# KiCad board GPDI_ULX3S_panel.kicad_pcb (continued)
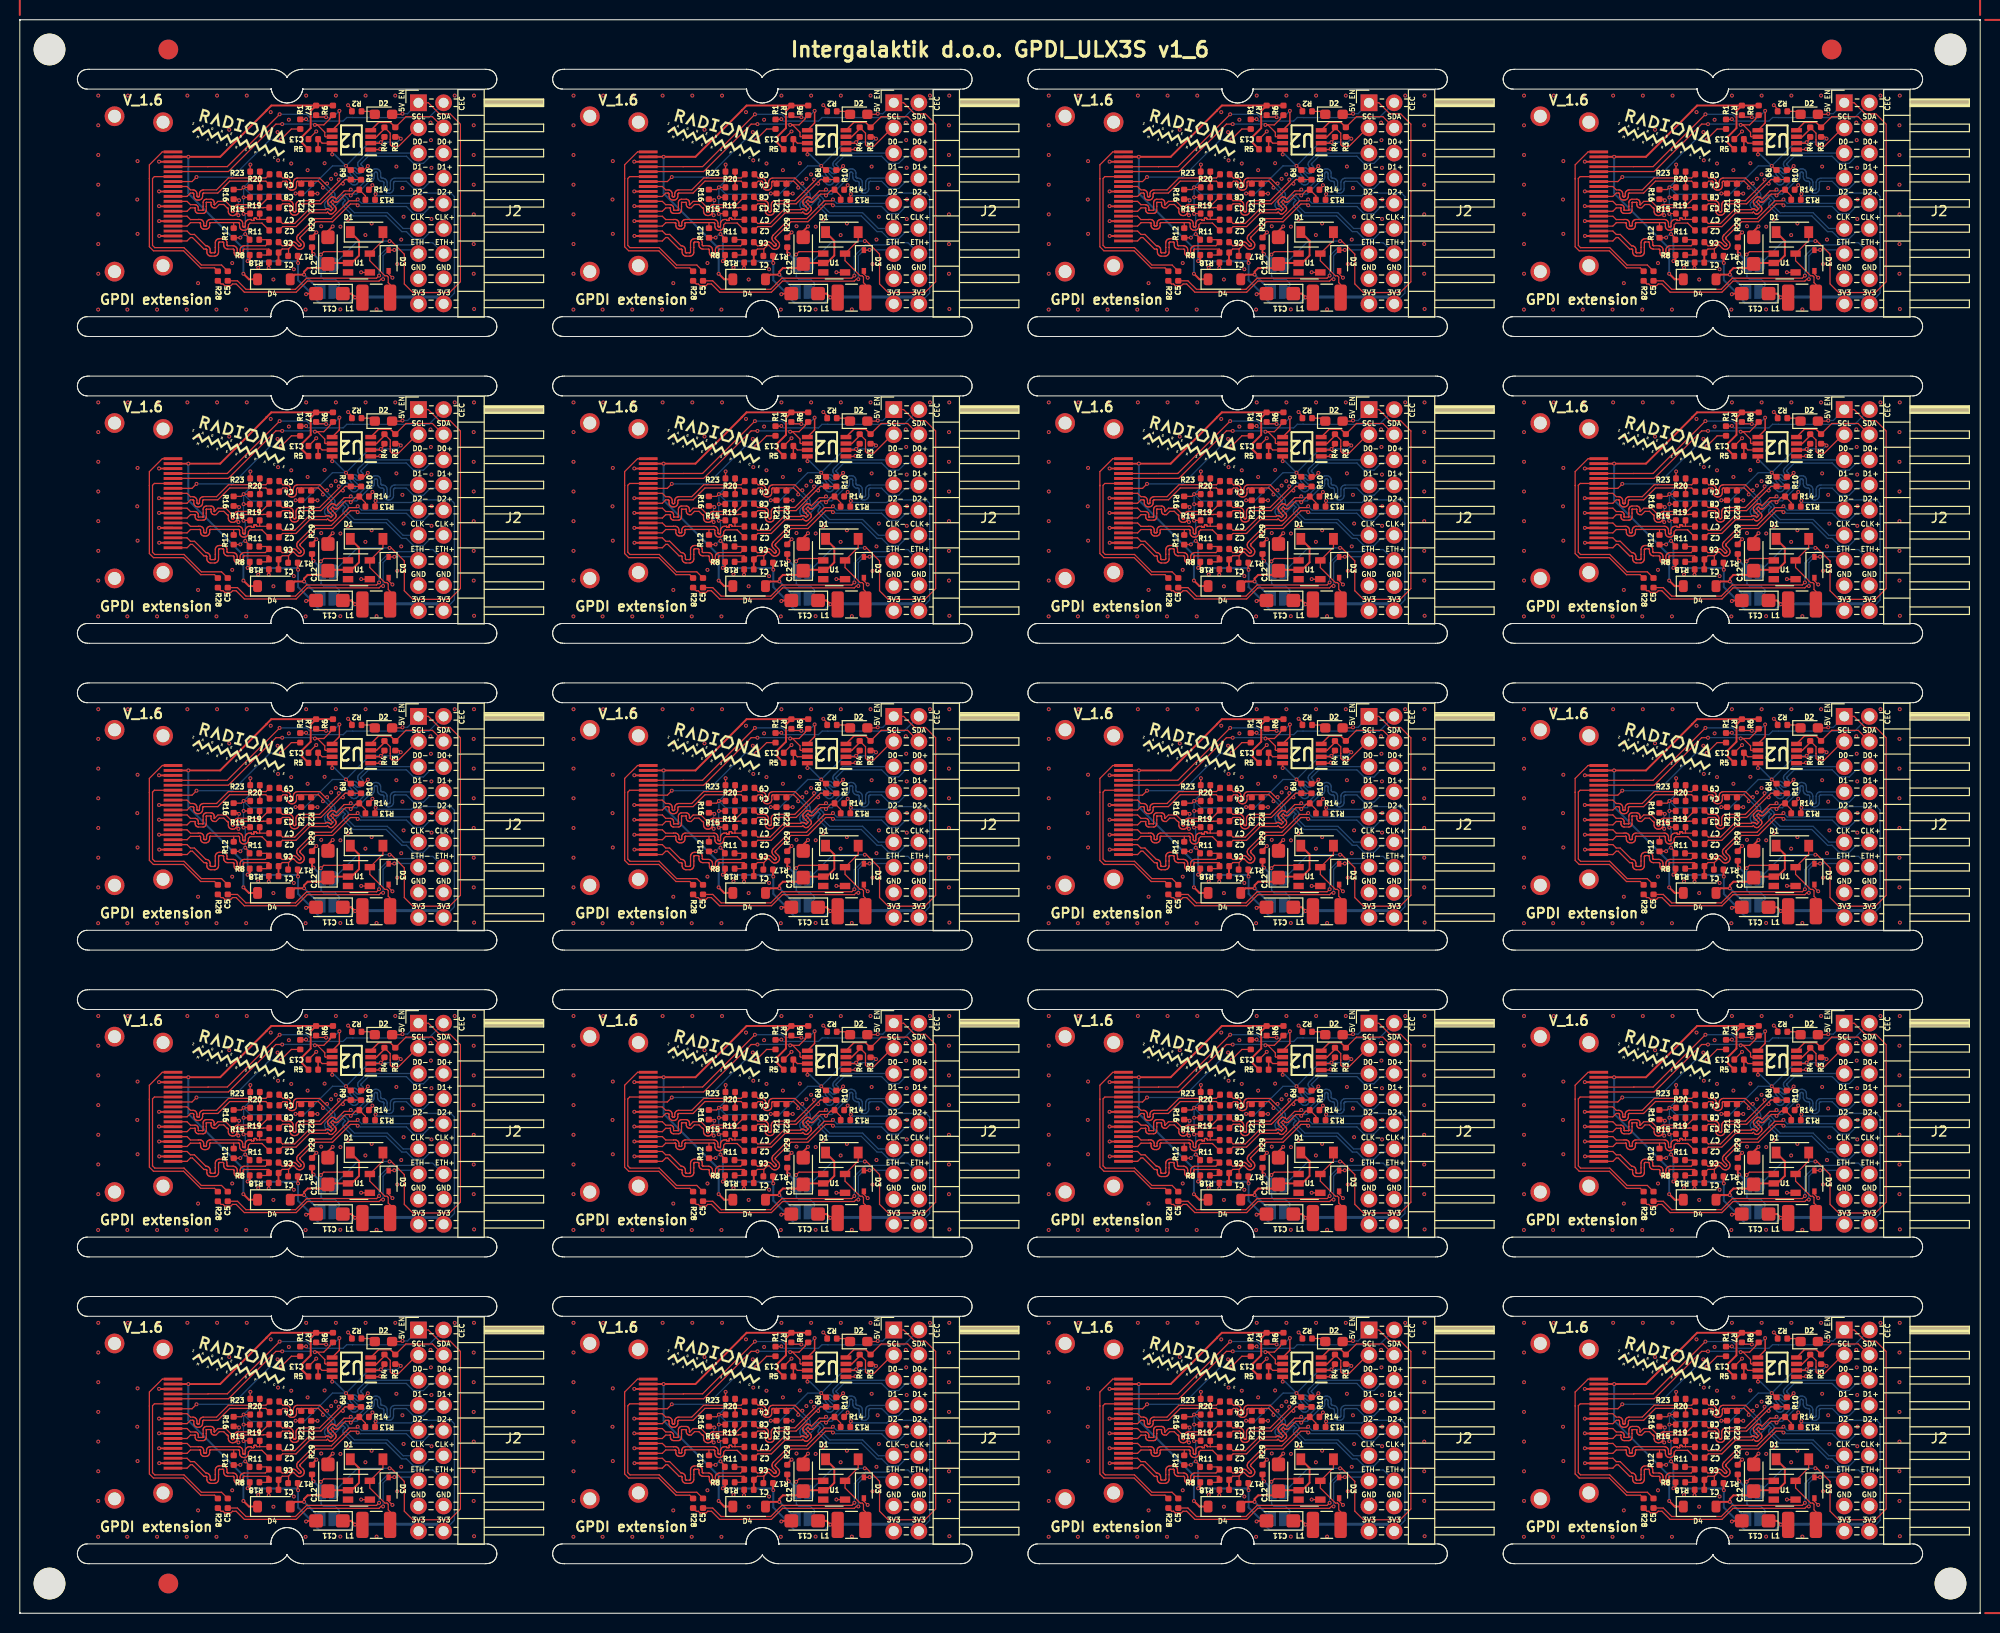
[diagram p0: board, top side]
## Routing (per net, layer and track width the routed paths; a pad name or vN(x,y) marks a point on that pad's centre or on a via; arc(x,y) is an arc through that point) (continued)
Board_9-GPDI_D0-: length 20.9
  Top w0.127: C8#4.1 74.53,80.72 75.18,80.72 75.28,80.71 75.37,80.68 75.45,80.63 75.52,80.56 75.57,80.48 75.6,80.39 75.61,80.29 75.61,79.72 75.62,79.69 75.63,79.66 75.64,79.63 75.66,79.61 75.69,79.59 75.72,79.58 75.75,79.58 75.78,79.58 75.81,79.59 75.84,79.61 75.86,79.63 75.88,79.66 75.89,79.69 75.89,79.72 75.89,80.29 75.9,80.39 75.94,80.48 75.99,80.56 76.06,80.63 76.14,80.68 76.23,80.71 76.33,80.72 78.27,80.72 80.22,82.67 v1(80.22,82.86)
  Bottom w0.127: v1(80.22,82.86) 80.41,82.86 80.64,83.09 80.72,83.15 80.8,83.19 80.9,83.22 81,83.22 81.09,83.19 81.18,83.15 81.25,83.09 81.67,82.68 81.69,82.66 81.72,82.64 81.75,82.64 81.78,82.64 81.81,82.64 81.84,82.66 81.87,82.68 81.89,82.7 81.9,82.73 81.91,82.76 81.91,82.79 81.9,82.82 81.89,82.85 81.87,82.88 81.45,83.29 81.39,83.37 81.35,83.45 81.33,83.55 81.33,83.65 81.35,83.74 81.39,83.83 81.45,83.9 81.49,83.94 81.56,83.99 81.63,84.03 81.72,84.05 81.8,84.05 81.89,84.03 81.97,83.99 82.03,83.94 82.16,83.81 82.18,83.8 82.2,83.79 82.22,83.78 82.24,83.78 82.26,83.79 82.28,83.8 82.29,83.81 82.36,83.88 82.37,83.9 82.38,83.91 82.39,83.93 82.39,83.95 82.38,83.97 82.37,83.99 82.36,84.01 82.23,84.14 82.18,84.21 82.14,84.28 82.12,84.37 82.12,84.45 82.14,84.54 82.18,84.62 82.23,84.68 83.08,85.53 J2.5
Board_9-GPDI_D1+: length 26.6
  Top w0.127: R13#17.2 82.91,81.21 R14#8.1 82.19,81.74 81.91,81.74 v1(81.42,81.25) 81.29,81.39 80.89,81.39 80.16,80.66 80.1,80.61 80.04,80.59 79.98,80.57 79.91,80.57 79.85,80.59 79.79,80.61 79.73,80.66 79.61,80.78 79.41,80.58 79.63,80.36 79.62,80.35 79.86,80.11 79.9,80.06 79.93,79.99 79.95,79.93 79.95,79.86 79.93,79.8 79.9,79.74 79.86,79.68 79.63,79.46 79.58,79.42 79.52,79.39 79.46,79.37 79.39,79.37 79.32,79.39 79.26,79.42 79.21,79.46 79.08,79.58 78.99,79.49 77.29,79.49 75.9,78.1 74.54,78.1 C2#19.1
  Bottom w0.127: 90.8,83 90.48,82.68 89.48,82.68 88.76,81.95 87.76,81.95 87.04,82.68 85.91,82.68 85.87,82.67 85.84,82.66 85.81,82.64 85.78,82.61 85.76,82.58 85.75,82.55 85.75,82.51 85.75,81.94 85.73,81.84 85.7,81.74 85.65,81.65 85.57,81.58 85.49,81.53 85.39,81.49 85.29,81.48 85.23,81.48 85.13,81.49 85.03,81.53 84.95,81.58 84.88,81.65 84.82,81.74 84.79,81.84 84.78,81.94 84.78,82.51 84.77,82.55 84.76,82.58 84.74,82.61 84.71,82.64 84.68,82.66 84.65,82.67 84.61,82.68 84.58,82.68 84.48,82.69 84.38,82.72 84.3,82.78 84.23,82.85 84.17,82.93 84.14,83.03 84.13,83.13 84.13,83.45 84.12,83.49 84.11,83.53 84.09,83.56 84.06,83.58 84.03,83.6 84,83.62 83.96,83.62 83.92,83.62 83.89,83.6 83.86,83.58 83.83,83.56 83.81,83.53 83.8,83.49 83.8,83.45 83.8,83.13 83.78,83.03 83.75,82.93 83.7,82.85 83.62,82.78 83.54,82.72 83.44,82.69 83.34,82.68 83.31,82.68 82.03,81.39 81.56,81.39 v1(81.42,81.25)
Board_9-GPDI_D1-: length 21
  Top w0.127: v1(81.42,81.85) 81.29,81.71 80.76,81.71 79.94,80.89 79.82,81.02 79.77,81.06 79.71,81.09 79.64,81.11 79.57,81.11 79.51,81.09 79.45,81.06 79.39,81.02 79.17,80.79 79.13,80.74 79.1,80.68 79.08,80.62 79.08,80.55 79.1,80.48 79.13,80.42 79.17,80.37 79.41,80.13 79.4,80.12 79.62,79.9 79.42,79.7 79.3,79.82 79.24,79.86 79.18,79.89 79.12,79.91 79.05,79.91 78.98,79.89 78.92,79.86 78.87,79.82 78.86,79.81 77.16,79.81 75.77,78.42 74.54,78.42 C7#6.1
  Bottom w0.127: v1(81.42,81.85) 81.56,81.71 81.89,81.71 83.18,83 83.31,83 83.35,83 83.38,83.01 83.41,83.03 83.44,83.06 83.46,83.09 83.47,83.12 83.48,83.16 83.48,83.48 83.49,83.58 83.52,83.68 83.58,83.77 83.65,83.84 83.73,83.89 83.83,83.93 83.93,83.94 83.99,83.94 84.09,83.93 84.19,83.89 84.27,83.84 84.35,83.77 84.4,83.68 84.43,83.58 84.45,83.48 84.45,83.16 84.45,83.12 84.46,83.09 84.48,83.06 84.51,83.03 84.54,83.01 84.57,83 84.61,83 84.64,83 84.74,82.98 84.84,82.95 84.92,82.9 85,82.82 85.05,82.74 85.08,82.64 85.1,82.54 85.1,81.97 85.1,81.93 85.11,81.89 85.13,81.86 85.16,81.84 85.19,81.82 85.22,81.8 85.26,81.8 85.3,81.8 85.33,81.82 85.36,81.84 85.39,81.86 85.41,81.89 85.42,81.93 85.43,81.97 85.43,82.54 85.44,82.64 85.47,82.74 85.53,82.82 85.6,82.9 85.68,82.95 85.78,82.98 85.88,83 88.26,83
Board_9-GPDI_D2+: length 22.7
  Top w0.127: 75.14,75.84 74.5,75.84 C1#4.1 ; 75.14,75.84 75.14,75.19 R17#5.2 ; 75.14,75.84 75.49,76.19 75.51,76.21 75.54,76.22 75.57,76.23 75.6,76.23 75.63,76.22 75.66,76.21 75.69,76.19 75.96,75.92 76.03,75.86 76.12,75.82 76.21,75.79 76.31,75.79 76.4,75.82 76.49,75.86 76.57,75.92 76.6,75.96 76.67,76.03 76.71,76.12 76.73,76.21 76.73,76.31 76.71,76.41 76.67,76.49 76.6,76.57 76.34,76.84 76.32,76.86 76.3,76.89 76.3,76.92 76.3,76.95 76.3,76.98 76.32,77.01 76.34,77.04 77.89,78.59 79.59,78.59 81.39,80.39 81.99,80.39 v1(82.12,80.25)
  Top w0.2: C1#4.1 74.13,75.47 R18#17.1
  Bottom w0.127: J2.10 90.48,80.14 89.48,80.14 88.76,79.41 87.76,79.41 87.04,80.14 82.38,80.14 82.27,80.25 v1(82.12,80.25)
Board_9-GPDI_D2-: length 17.8
  Top w0.127: v1(82.12,80.85) 81.99,80.71 81.26,80.71 79.46,78.91 77.76,78.91 76.09,77.24 76.03,77.17 75.99,77.08 75.97,76.98 75.97,76.89 75.99,76.79 76.03,76.71 76.09,76.63 76.36,76.36 76.38,76.34 76.39,76.31 76.4,76.28 76.4,76.25 76.39,76.22 76.38,76.19 76.36,76.16 76.34,76.14 76.31,76.13 76.28,76.12 76.25,76.12 76.21,76.13 76.19,76.14 76.16,76.16 75.89,76.43 75.82,76.49 75.73,76.53 75.64,76.56 75.54,76.56 75.44,76.53 75.36,76.49 75.28,76.43 75.01,76.16 74.5,76.16 C6#8.1
  Bottom w0.127: v1(82.12,80.85) 82.52,80.45 J2.9
Board_9-GPDI_ETH+: length 25.7
  Top w0.127: v1(84.29,73.15) 84.03,72.89 76.97,72.89 75.84,71.77 70.84,71.77 69.98,72.62 C5#20.1
  Bottom w0.127: J2.14 89.71,76.47 87.87,76.47 87.65,76.25 85.41,76.25 84.29,75.13 v1(84.29,73.15)
Board_9-GPDI_ETH-: length 24.8
  Top w0.127: D3#4.1 85.8,75.72 v1(85.82,75.75) ; R28#2.2 68.32,72.31 68.52,72.31 68.69,72.14 69.31,72.14 69.48,72.31 69.85,72.31 70.68,71.48 75.91,71.48 77.03,72.6 84.29,72.6 84.48,72.79 v1(84.69,72.79)
  Bottom w0.127: J2.13 87.89,75.75 v1(85.83,75.75) 85.27,75.75 84.69,75.16 84.69,72.79 v1(84.69,72.79)
Board_9-GPDI_SCL: length 21.1
  Top w0.127: v1(74.5,88.46) 73.86,88.46 69.07,83.67 63.48,83.67 P1#3.15 ; R6#18.2 79.32,89.06 79.32,89 78.7,88.38 v1(77.8,88.38) 78.05,88.38 78.8,87.63 78.8,87.25 78.87,87.18 U2#15.6
  Bottom w0.127: v1(74.5,88.46) 74.51,88.47 77.71,88.47 v1(77.8,88.38)
Board_9-GPDI_SDA: length 22.8
  Top w0.127: v1(74.24,89.45) 68.96,84.17 67.02,84.17 67.01,84.15 P1#3.16 ; v1(78.93,89.16) 78.91,89.18 78.11,89.18 R7#6.2
  Top w0.15: v1(80.28,89.8) 80.28,88.57 U2#15.5
  Bottom w0.127: v1(74.24,89.45) 76.97,89.45 77.25,89.17 78.92,89.17 v1(78.93,89.16) 78.99,89.1 79.58,89.1 v1(80.28,89.8)
Board_9-Net-(D1-A): length 8.1
  Top w0.127: D1#11.2 84.67,76.7 U1#16.5 83.35,74.66 84.87,73.13 85.08,73.13 85.21,73.01 85.21,72.44 85.4,72.25 L1#13.2
Board_9-Net-(D1-K): length 13.2
  Top w0.2: D1#11.1 82.26,76.66 82.26,75.18 81.51,74.42 U1#16.2 79.22,74.42 C12#18.1 78.7,73.91 77.07,73.91 76.71,73.55 v1(76.71,73.25) 75.78,73.25 D4#3.2
  Bottom w0.2: JP2#7.1 78.37,71.59 v1(76.71,73.25)
Board_9-Net-(D2-K): length 1.5
  Top w0.127: R2#17.1 83.55,89.75 D2#5.1
Board_9-Net-(U2-VREF2): length 2.6
  Top w0.127: U2#15.7 78.53,86.53 C13#4.1
  Top w0.15: R5#7.2 C13#4.1
Board_9-PMOD_SCL: length 8.1
  Top w0.127: R4#13.2 85.41,87.55 85.41,86.88 85.41,86.88 85.41,86.38 85.59,86.21 86.25,86.21 88.11,88.08 88.26,88.08 87.88,87.69
  Top w0.15: U2#15.3 84.03,87.18 84.82,87.98 R4#13.2
Board_9-PMOD_SDA: length 8.8
  Top w0.127: 90.8,88.08 89.67,89.21 87,89.21 R3#7.2
  Top w0.15: R3#7.2 85.43,88.63 84.24,88.63 U2#15.4
Board_10-5V_ENABLE: length 54.8
  Top w0.127: v1(126.41,75.28) 126.7,75.57 128.95,75.57 U1#9.1 ; v1(134.65,89.51) 134.59,89.45 D2#9.2 ; 135.8,90.15 J2#13.1 137.26,90.61 138.39,89.49 139.46,89.49 140.5,88.45 140.5,72.53 139.41,71.44 135.7,71.44 134.83,72.31 134.83,75.32 133.51,76.64 v1(133.34,76.64)
  Top w0.2: R29#11.1 125.51,75.48 v1(125.66,75.33)
  Bottom w0.127: JP1#9.1 130.12,76.64 v1(133.34,76.64) ; v1(126.41,75.28) 126.41,75.01 126.42,75 JP1#9.2 126.43,74.25 126.43,73.03 126.44,73.03 126.68,72.79 127.86,72.79 128.26,72.39 128.26,72.13 JP2#13.2 ; J2#13.1 135.16,89.51 v1(134.65,89.51)
  Bottom w0.2: JP1#9.2 126.42,74.57 v1(125.66,75.33)
  Bottom w0.5: JP1#9.2 JP1#9.1
Board_10-+3V3: length 87.4
  Top w0.127: R15#3.1 118.62,79.42 v1(118.59,79.39) ; v1(129.86,70.95) 129.88,70.93 L1#10.1 ; R23#19.1 119.27,84.35 v1(119.29,84.37) ; R11#11.1 119.21,76.91 v1(118.77,77.35) ; v1(132.47,86.63) 132.82,86.99 R4#6.1 ; v1(128.94,84.24) 129.36,83.82 R9#8.1 ; v1(118.27,76.99) 118.26,76.97 R12.1 ; v1(123.85,81.45) R21#16.1 ; R13#15.1 131.88,81.33 v1(131.93,81.38) ; R19#20.1 v1(118.6,81.06) ; R16#18.1 118.38,81.85 v1(118.6,82.07) R20#9.1 ; R3#17.1 134.3,87.17 v1(134.47,86.99)
  Top w0.15: U2#9.2 132.37,86.53 v1(132.47,86.63) ; v1(127.55,85.4) 127.54,85.41 U2#9.8
  Top w0.2: v1(129.86,70.95) 129.48,71.33 C11#7.1 ; R17#4.1 124.07,74.46 v1(124.1,74.43) ; R8#8.1 119.23,74.84 v1(119.01,74.62)
  Bottom w0.127: v1(118.6,82.07) 119.3,81.37 123.77,81.37 v1(123.85,81.45) 124.79,81.45 127.58,84.24 v1(128.94,84.24) 131.34,86.63 v1(132.47,86.63) 134.12,86.63 v1(134.47,86.99) ; v1(118.6,82.07) v1(118.6,81.06) 118.59,81.05 v1(118.59,79.39) 118.77,79.22 v1(118.77,77.35) 118.63,77.35 v1(118.27,76.99) ; v1(118.6,82.07) 119.29,82.75 v1(119.29,84.37) ; J2#13.18 139.89,71.38 139.89,81.14 139.54,81.5 135.83,81.5 135.56,81.23 132.08,81.23 v1(131.93,81.38)
  Bottom w0.15: v1(127.55,85.4) 127.78,85.4 v1(128.94,84.24)
  Bottom w0.2: v1(129.86,70.95) 129.32,70.41 126.24,70.41 125.65,71 125.65,71.14 124.1,72.68 v1(124.1,74.43) 123.93,74.6 119.03,74.6 v1(119.01,74.62) 119.01,77.11 v1(118.77,77.35)
  Bottom w0.3: v1(129.86,70.95) 129.9,70.99 138.11,70.99 J2#13.18
Board_10-+5V: length 39.3
  Top w0.2: R7#10.1 121.4,90.33 120.92,89.85 120.92,89.83 116.24,85.15 v1(113.02,85.15) P1#14.18 ; R7#10.1 125.38,89.79 125.38,88.06 124.53,87.2 124.53,86.55 R5#17.1 ; R7#10.1 R6#20.1 ; v1(118.58,73.34) 119.14,72.78 D4#18.1
  Bottom w0.2: v1(118.58,73.34) 118.58,75.9 113.02,81.46 v1(113.02,85.15)
Board_10-/CEC: length 15.1
  Top w0.127: v1(122.37,86.91) 123.43,87.97 R1#14.1 ; P1#14.13 113.39,82.65 v1(113.85,83.11)
  Bottom w0.127: v1(113.85,83.11) 117.47,83.11 121.28,86.91 v1(122.37,86.91)
Board_10-/CLK+: length 12.1
  Top w0.127: C4#17.2 120.85,82.7 117.2,82.7 116,81.5 114.58,81.5 114.55,81.49 114.53,81.48 114.51,81.47 114.49,81.45 114.48,81.43 114.47,81.4 114.46,81.38 114.46,81.19 114.45,81.1 114.42,81.02 114.37,80.94 114.31,80.87 114.23,80.82 114.14,80.79 114.05,80.78 113.98,80.78 113.89,80.79 113.8,80.82 113.73,80.87 113.66,80.94 113.61,81.02 113.58,81.1 113.57,81.19 113.57,81.38 113.57,81.4 113.56,81.43 113.55,81.45 113.53,81.47 113.51,81.48 113.48,81.49 113.45,81.5 113.24,81.5 112.89,81.15 P1#14.10
  Top w0.15: R20#9.2 120.24,82.67
Board_10-/CLK-: length 12.2
  Top w0.127: 120.26,83.02 120.24,83.03 R23#19.2 ; 120.26,83.02 117.07,83.02 115.87,81.81 114.56,81.81 114.46,81.8 114.38,81.77 114.3,81.72 114.23,81.66 114.19,81.58 114.15,81.49 114.14,81.4 114.14,81.22 114.14,81.19 114.13,81.17 114.12,81.15 114.1,81.13 114.08,81.11 114.05,81.1 114.03,81.1 114.01,81.1 113.98,81.1 113.96,81.11 113.93,81.13 113.92,81.15 113.9,81.17 113.89,81.19 113.89,81.22 113.89,81.4 113.88,81.49 113.85,81.58 113.8,81.66 113.74,81.72 113.66,81.77 113.57,81.8 113.48,81.81 113.24,81.81 112.89,82.15 P1#14.12 ; 120.26,83.02 120.85,83.02 C9#14.2
Board_10-/D0+: length 15.7
  Top w0.127: v1(118.15,80.76) 118.03,80.88 R16#18.2 ; C3#3.2 120.59,80.03 120.57,80.01 118.66,80.01 118.63,80 118.6,79.99 118.58,79.98 118.56,79.96 118.54,79.93 118.53,79.91 118.53,79.88 118.53,79.87 118.53,79.84 118.52,79.82 118.5,79.79 118.48,79.77 118.46,79.76 118.43,79.75 118.4,79.75 118.37,79.75 118.35,79.76 118.32,79.77 118.3,79.79 118.29,79.82 118.28,79.84 118.28,79.87 118.28,79.88 118.27,79.91 118.26,79.93 118.25,79.96 118.23,79.98 118.2,79.99 118.18,80 118.15,80.01 118.08,80.01 118.05,80 118.02,79.99 118,79.98 117.98,79.96 117.96,79.93 117.95,79.91 117.95,79.88 117.95,79.64 117.94,79.55 117.91,79.46 117.86,79.38 ; 117.86,79.38 117.79,79.31 117.71,79.26 117.62,79.23 117.53,79.22 117.48,79.22 117.38,79.23 117.3,79.26 117.22,79.31 117.15,79.38 117.1,79.46 117.07,79.55 117.06,79.64 117.06,79.88 117.05,79.91 117.04,79.93 117.03,79.96 117.01,79.98 116.99,79.99 116.96,80 116.93,80.01 116.6,80.34 116.14,80.34 115.8,80 115.65,80 115.58,80 115.5,80.03 115.44,80.07 115.39,80.12 115.35,80.19 115.32,80.26 115.31,80.33 115.31,80.51 115.31,80.52 115.31,80.53 115.3,80.54 115.3,80.54 115.29,80.55 115.28,80.55 115.27,80.55 114.87,80.55 114.86,80.55 114.85,80.55 114.85,80.54 114.84,80.54 114.84,80.53 114.83,80.52 114.83,80.51 114.83,80.15 114.83,79.78 114.82,79.7 114.8,79.63 114.76,79.57 114.7,79.51 114.64,79.47 114.57,79.45 114.49,79.44 114.05,79.44 113.97,79.45 113.9,79.47 113.84,79.51 113.79,79.57 113.75,79.63 113.72,79.7 113.71,79.78 113.71,79.96 113.71,79.97 113.71,79.97 113.7,79.98 113.7,79.99 113.69,79.99 113.68,79.99 113.67,80 113.24,80 112.89,79.65 P1#14.7 ; 117.86,79.38 117.95,79.38 v1(118.08,79.25)
  Bottom w0.127: v1(118.08,79.25) 118.08,80.7 v1(118.15,80.76)
Board_10-/D0-: length 14.1
  Top w0.127: 121.13,81.06 C8#3.2 120.39,80.33 118.05,80.33 117.96,80.31 117.87,80.28 117.79,80.23 117.72,80.17 117.67,80.09 117.64,80 117.63,79.91 117.63,79.67 117.63,79.64 117.62,79.61 117.6,79.59 117.58,79.57 117.56,79.55 117.53,79.54 117.5,79.54 117.48,79.54 117.45,79.55 117.42,79.57 117.4,79.59 117.39,79.61 117.38,79.64 117.38,79.67 117.38,79.91 117.37,80 117.33,80.09 117.28,80.17 116.8,80.65 116.01,80.65 115.67,80.31 115.66,80.32 115.65,80.32 115.65,80.32 115.64,80.33 115.64,80.34 115.63,80.34 115.63,80.35 115.63,80.53 115.62,80.61 115.6,80.68 115.56,80.74 115.51,80.8 115.44,80.84 115.37,80.86 115.29,80.87 114.85,80.87 114.78,80.86 114.7,80.84 114.64,80.8 114.59,80.74 114.55,80.68 114.52,80.61 114.51,80.53 114.51,80.15 114.51,80.15 114.51,79.8 114.51,79.79 114.51,79.78 114.5,79.77 114.5,79.77 114.49,79.76 114.48,79.76 114.47,79.76 114.07,79.76 114.06,79.76 114.05,79.76 114.05,79.77 114.04,79.77 114.03,79.78 114.03,79.79 114.03,79.8 114.03,79.98 114.02,80.05 114,80.12 113.96,80.19 113.9,80.24 113.84,80.28 113.77,80.31 113.69,80.31 113.24,80.31 112.89,80.65 P1#14.9
  Top w0.15: R19#20.2 120.22,80.34 120.2,80.33
Board_10-/D1+: length 12.6
  Top w0.127: C2#7.2 120.45,78.46 119.26,78.46 119.09,78.29 119.09,78.15 119.08,78.05 119.05,77.97 119,77.89 118.93,77.82 118.85,77.77 118.76,77.74 118.67,77.73 118.62,77.73 118.52,77.74 118.44,77.77 118.36,77.82 118.29,77.89 118.24,77.97 118.21,78.05 118.2,78.15 118.2,78.38 118.19,78.41 118.18,78.43 118.17,78.46 118.15,78.48 118.13,78.49 118.1,78.5 118.07,78.51 115.27,78.51 115.25,78.5 115.23,78.5 115.21,78.49 115.19,78.47 115.18,78.45 115.18,78.43 115.17,78.41 115.17,78.23 115.16,78.14 115.14,78.06 115.09,77.99 115.03,77.93 114.95,77.88 114.87,77.85 114.79,77.84 114.64,77.84 114.56,77.85 114.48,77.88 114.4,77.93 114.34,77.99 114.29,78.06 114.27,78.14 114.26,78.23 114.26,78.41 114.25,78.43 114.25,78.45 114.24,78.47 114.22,78.49 114.2,78.5 114.18,78.5 114.16,78.51 114.15,78.5 113.24,78.5 112.89,78.15 P1#14.4 ; R12.2 117.6,78.49
Board_10-/D1-: length 12.8
  Top w0.127: 120.23,78.83 119.97,78.83 119.95,78.83 119.94,78.83 119.92,78.84 119.91,78.85 119.9,78.87 119.9,78.88 119.9,78.91 119.89,78.93 119.88,78.94 119.87,78.96 119.86,78.96 119.84,78.97 119.82,78.97 119.72,78.97 119.7,78.97 119.68,78.96 119.67,78.96 119.66,78.94 119.65,78.93 119.65,78.91 119.64,78.9 119.64,78.78 119.64,78.76 119.64,78.75 119.63,78.74 119.62,78.74 119.61,78.73 119.6,78.73 119.59,78.73 119.44,78.73 119.43,78.73 119.42,78.73 119.41,78.74 119.4,78.74 119.39,78.75 119.39,78.76 119.39,78.79 119.38,78.8 119.38,78.81 119.37,78.81 119.36,78.82 119.35,78.82 119.34,78.83 119.19,78.83 119.1,78.81 119.01,78.78 118.93,78.73 118.86,78.67 118.81,78.59 118.78,78.5 118.77,78.41 118.77,78.17 118.77,78.15 118.76,78.12 118.74,78.09 118.72,78.07 118.7,78.06 118.67,78.05 118.64,78.05 118.62,78.05 118.59,78.06 118.56,78.07 118.54,78.09 118.53,78.12 118.52,78.15 118.52,78.17 118.52,78.41 118.51,78.5 118.47,78.59 118.42,78.67 118.36,78.73 118.28,78.78 118.19,78.81 118.1,78.83 115.24,78.83 115.16,78.82 115.08,78.79 115,78.74 114.94,78.68 114.89,78.61 114.87,78.52 114.86,78.44 114.86,78.25 114.85,78.23 114.85,78.21 114.84,78.2 114.82,78.18 114.8,78.17 114.78,78.16 114.76,78.16 114.67,78.16 114.65,78.16 114.63,78.17 114.61,78.18 114.59,78.2 114.58,78.21 114.58,78.23 114.57,78.25 114.57,78.44 114.56,78.52 114.54,78.61 114.49,78.68 114.43,78.74 114.35,78.79 114.27,78.82 114.19,78.83 114.03,78.83 114.02,78.81 113.24,78.81 112.89,79.15 P1#14.6 ; 120.23,78.83 R15#3.2 ; 120.23,78.83 121.16,78.83 C7#18.2
Board_10-/D2+: length 15
  Top w0.127: P1#14.1 112.89,76.65 113.24,77 113.43,77 114.6,75.83 114.78,75.83 114.81,75.83 114.83,75.82 114.85,75.81 114.87,75.79 114.88,75.77 114.89,75.75 114.89,75.73 114.89,75.53 114.9,75.44 114.93,75.35 114.98,75.27 115.05,75.21 115.13,75.16 115.21,75.13 115.31,75.12 115.66,75.12 115.75,75.13 115.84,75.16 115.92,75.21 115.98,75.27 116.03,75.35 116.06,75.44 116.07,75.53 116.07,76 116.07,76 116.07,76.44 116.08,76.47 116.09,76.49 116.1,76.51 116.11,76.53 116.14,76.54 116.16,76.55 116.18,76.55 116.48,76.55 116.51,76.55 116.53,76.54 116.55,76.53 116.57,76.51 116.58,76.49 116.59,76.47 116.59,76.44 116.59,76.25 116.6,76.16 116.63,76.07 116.68,75.99 116.75,75.92 116.83,75.88 116.91,75.84 117.01,75.83 117.56,75.83 117.59,75.82 117.61,75.79 117.63,75.77 117.64,75.74 117.64,75.71 117.64,75.5 117.66,75.4 117.69,75.31 117.74,75.23 117.81,75.16 117.89,75.1 117.98,75.07 118.08,75.06 118.13,75.06 118.23,75.07 118.32,75.1 118.4,75.16 118.47,75.23 118.52,75.31 118.56,75.4 118.57,75.5 118.57,75.71 118.57,75.74 118.58,75.77 118.6,75.79 118.62,75.82 118.65,75.83 121.14,75.83 121.17,75.8 C1#11.2 120.92,75.23 R8#8.2
Board_10-/D2-: length 14.8
  Top w0.127: P1#14.3 112.89,77.65 113.24,77.31 113.63,77.31 114.78,76.17 114.81,76.17 114.9,76.16 114.99,76.13 115.07,76.08 115.13,76.01 115.18,75.93 115.21,75.84 115.22,75.75 115.22,75.56 115.23,75.54 115.23,75.51 115.25,75.49 115.26,75.48 115.28,75.46 115.31,75.45 115.33,75.45 115.63,75.45 115.66,75.45 115.68,75.46 115.7,75.48 115.72,75.49 115.73,75.51 115.74,75.54 115.74,75.56 115.74,76 115.74,76.47 115.75,76.56 115.78,76.65 115.83,76.73 115.9,76.79 115.98,76.84 116.06,76.87 116.16,76.88 116.51,76.88 116.6,76.87 116.69,76.84 116.77,76.79 116.83,76.73 116.88,76.65 116.91,76.56 116.92,76.47 116.92,76.27 116.93,76.25 116.94,76.23 116.95,76.21 116.96,76.19 116.99,76.18 117.01,76.17 117.03,76.17 117.53,76.17 117.63,76.16 117.72,76.12 117.8,76.07 117.87,76 117.92,75.92 117.95,75.83 117.96,75.73 117.96,75.52 117.97,75.49 117.98,75.46 117.99,75.43 118.02,75.41 118.04,75.39 118.07,75.38 118.11,75.38 118.14,75.38 118.17,75.39 118.19,75.41 118.22,75.43 118.23,75.46 118.24,75.49 118.25,75.52 118.25,75.73 118.26,75.83 118.29,75.92 118.34,76 118.41,76.07 118.49,76.12 118.59,76.16 118.68,76.17 120.8,76.17 C6#18.2 120.91,76.78 R11#11.2
Board_10-/ETH+: length 17.6
  Top w0.127: C5#7.2 116.38,74.22 114.34,74.22 112.58,75.98 109.63,75.98 109.4,76.2 109.4,82.97 109.59,83.15 P1#14.14
Board_10-/ETH-: length 19.2
  Top w0.127: R28#17.1 115.67,73.93 114.27,73.93 112.54,75.66 109.5,75.66 109.09,76.07 109.09,82.93 ; P1#14.19 110.39,85.65 109.09,84.35 109.09,82.93 ; 109.09,82.93 109.09,82.97
Board_10-GND: length 17.5
  Top w0.127: v1(133.63,72.94) 133.25,73.33 D3#9.2 ; R10#11.2 130.75,83.82 v1(131.15,84.22) ; U1#9.4 130.49,73.47 v1(130.47,73.49) ; R14#16.2 131.61,82.19 v1(131.61,82.29) ; R22#7.2 126.07,81.44 v1(126.07,81.44) ; v1(129.15,90.37) 129.54,89.98 R2#6.2 ; v1(125.94,87.72) 125.94,87.72 C13#11.2
  Top w0.15: U2#9.1 132.35,85.88 v1(132.4,85.94)
  Top w0.2: P1#14.5 110.08,78.65 v1(110.07,78.66) ; C11#7.2 124.97,71.33 v1(124.91,71.27) ; R18#12.2 121.16,73.94 v1(121.14,73.93) ; P1#14.8 110.08,80.15 v1(110.06,80.18) ; v1(110.06,81.66) 110.07,81.65 P1#14.11 ; P1#14.2 110.08,77.15 v1(110.08,77.16) ; v1(127.6,78.12) 127.12,77.64 C12#19.2 ; P1#14.17 110.07,84.65 v1(110.06,84.67) ; v1(125.95,77.52) 125.51,77.08 R29#11.2
  In1.Cu w0.5: 136.38,72.72 136.26,72.84
  vias: v1(103.92,91.34) v1(103.92,88.34) v1(103.92,85.34) v1(103.92,82.34) v1(103.92,79.34) v1(103.92,76.34) v1(103.92,73.34) v1(103.91,69.72) v1(106.92,91.34) v1(106.86,69.72) v1(107.89,84.72) v1(107.86,80.84) v1(107.89,77.37) v1(109.92,91.34) v1(109.86,69.72) v1(112.92,91.34) v1(112.86,69.72) v1(114.02,87.97) v1(114,72.39) v1(115.92,91.34) v1(115.86,69.72) v1(117.15,87.89) v1(117.45,74.42) v1(118.92,91.34) v1(118.86,69.72) v1(120.08,73.94) v1(121.34,89.67) v1(121.61,72.76) v1(122.03,87.65) v1(122.08,84.8) v1(123.17,88.9) v1(123.41,84.48) v1(123.68,73.79) v1(124.92,91.34) v1(124.86,69.72) v1(125.07,83.81) v1(126.44,78.14) v1(126.78,84.51) v1(127.44,82.93) v1(127.92,91.34) v1(127.91,83.38) v1(128.38,78.1) v1(128.37,69.74) v1(129.14,78.81) v1(130.92,91.34) v1(130.9,77.25) v1(131.53,78.42) v1(132.03,69.74) v1(133.92,91.34) v1(134.03,84.17) v1(134.12,74.32) v1(134.52,76.79) v1(134.64,82) v1(134.76,79.1) v1(137.48,88.61) v1(137.52,86.84) v1(137.57,84.05) v1(137.6,80.85) v1(137.58,78.87) v1(139.92,91.34) v1(141.84,88.34) v1(141.84,85.34) v1(141.84,82.34) v1(141.84,79.34) v1(141.84,76.34) v1(141.84,73.34) v1(141.87,91.34) v1(141.88,69.78)
Board_10-GPDI_CEC: length 15.3
  Top w0.127: R1#14.2 124.89,88.94 v1(124.91,88.96)
  Bottom w0.127: J2#13.2 137.31,89.12 129.61,89.12 129.6,89.13 129.02,89.13 128.66,88.77 125.1,88.77 v1(124.91,88.96)
Board_10-GPDI_CLK+: length 24.8
  Top w0.127: 124.44,82.69 124.42,82.67 R21#16.2 ; 124.44,82.69 125.43,82.69 ; 124.44,82.69 124.09,82.69 124.06,82.69 124.03,82.68 124,82.66 123.98,82.64 123.96,82.61 123.95,82.58 123.95,82.55 123.95,82.22 123.94,82.12 123.9,82.03 123.85,81.95 123.78,81.88 123.7,81.83 123.61,81.8 123.51,81.79 123.46,81.79 123.36,81.8 123.27,81.83 123.19,81.88 123.12,81.95 123.07,82.03 123.04,82.12 123.03,82.22 123.03,82.55 123.02,82.58 123.01,82.61 123,82.64 122.97,82.66 122.95,82.68 122.92,82.69 122.89,82.69 122.57,82.69 C4#17.1 ; 125.43,82.69 126.16,82.69 126.62,82.23 v1(126.62,82.04) ; 125.43,82.69 R22#7.1
  Bottom w0.127: v1(126.62,82.04) 126.81,82.04 127.46,81.39 127.48,81.36 127.49,81.33 127.5,81.29 127.5,81.26 127.49,81.22 127.48,81.19 127.46,81.16 126.91,80.61 126.85,80.53 126.8,80.44 126.78,80.34 126.78,80.24 126.8,80.14 126.85,80.05 126.91,79.97 126.95,79.93 127.03,79.86 127.12,79.82 127.22,79.8 127.32,79.8 127.42,79.82 127.51,79.86 127.59,79.93 128.62,80.95 128.63,80.96 128.63,80.96 128.64,80.96 128.65,80.96 128.65,80.96 128.66,80.96 128.67,80.95 128.85,80.77 128.86,80.76 128.86,80.75 128.86,80.75 128.86,80.74 128.86,80.73 128.86,80.72 128.85,80.72 128.73,80.59 128.68,80.53 128.65,80.47 128.63,80.39 128.63,80.32 128.65,80.25 128.68,80.18 128.73,80.12 129.66,79.19 132.99,79.19 134.58,77.6 135.04,77.6 135.76,76.87 136.76,76.87 137.48,77.6 138.48,77.6 138.8,77.92
Board_10-GPDI_CLK-: length 21
  Top w0.127: v1(127.03,82.46) 126.84,82.46 126.29,83.01 124.06,83.01 123.96,83 123.87,82.97 123.79,82.92 123.72,82.85 123.67,82.77 123.64,82.68 123.63,82.58 123.63,82.25 123.62,82.21 123.61,82.18 123.6,82.16 123.57,82.14 123.55,82.12 123.52,82.11 123.49,82.1 123.46,82.11 123.43,82.12 123.4,82.14 123.38,82.16 123.36,82.18 123.35,82.21 123.35,82.25 123.35,82.58 123.34,82.68 123.3,82.77 123.25,82.85 123.18,82.92 123.1,82.97 123.01,83 122.91,83.01 122.57,83.01 C9#14.1
  Bottom w0.127: 136.26,77.92 134.71,77.92 133.12,79.51 129.79,79.51 128.97,80.33 128.96,80.34 128.96,80.35 128.96,80.35 128.96,80.36 128.96,80.37 128.96,80.37 128.97,80.38 129.09,80.51 129.14,80.57 129.17,80.63 129.19,80.71 129.19,80.78 129.17,80.85 129.14,80.92 129.09,80.98 128.88,81.19 128.82,81.24 128.75,81.27 128.68,81.29 128.61,81.29 128.53,81.27 128.47,81.24 128.41,81.19 127.39,80.17 127.36,80.15 127.33,80.13 127.29,80.13 127.25,80.13 127.22,80.13 127.18,80.15 127.15,80.17 127.13,80.2 127.12,80.24 127.11,80.27 127.11,80.31 127.12,80.34 127.13,80.38 127.15,80.41 127.7,80.95 127.76,81.03 127.81,81.13 127.83,81.23 127.83,81.33 127.81,81.43 127.76,81.52 127.7,81.6 127.03,82.27 v1(127.03,82.46)
Board_10-GPDI_D0+: length 26.3
  Top w0.127: R10#11.1 130.46,82.85 R9#8.2 128.86,82.85 128.63,82.63 v1(128.63,82.44) 128.44,82.44 126.4,80.4 124.35,80.4 124.32,80.4 124.29,80.39 124.26,80.37 124.24,80.35 124.23,80.32 124.22,80.29 124.21,80.26 124.21,79.69 124.2,79.59 124.17,79.5 124.12,79.42 124.05,79.35 123.97,79.3 123.88,79.27 123.78,79.26 123.73,79.26 123.63,79.27 123.54,79.3 123.46,79.35 123.39,79.42 123.34,79.5 123.3,79.59 123.29,79.69 123.29,80.26 123.29,80.29 123.28,80.32 123.26,80.35 123.24,80.37 123.21,80.39 123.18,80.4 123.15,80.4 122.53,80.4 C3#3.1
  Bottom w0.127: J2#13.6 138.48,85.22 137.48,85.22 136.76,84.49 135.76,84.49 135.04,85.22 131.22,85.22 130.47,84.47 130.46,84.46 130.45,84.44 130.45,84.42 130.45,84.4 130.45,84.38 130.46,84.36 130.47,84.35 130.6,84.22 130.66,84.15 130.7,84.07 130.71,83.99 130.71,83.9 130.7,83.82 130.66,83.74 130.6,83.67 130.5,83.57 130.43,83.51 130.35,83.48 130.27,83.46 130.18,83.46 130.1,83.48 130.02,83.51 129.95,83.57 129.82,83.7 129.81,83.71 129.79,83.72 129.77,83.72 129.75,83.72 129.73,83.72 129.71,83.71 129.7,83.7 129.68,83.67 129.66,83.64 129.66,83.61 129.66,83.58 129.66,83.55 129.68,83.52 129.7,83.5 130.11,83.08 130.17,83.01 130.21,82.92 130.24,82.83 130.24,82.73 130.21,82.63 130.17,82.55 130.11,82.47 130.07,82.43 130,82.37 129.91,82.33 129.82,82.31 129.72,82.31 129.62,82.33 129.54,82.37 129.46,82.43 129.05,82.85 129.02,82.87 128.99,82.88 128.96,82.89 128.93,82.89 128.9,82.88 128.87,82.87 128.85,82.85 128.63,82.63 v1(128.63,82.44)